# Altium PCB PCB2.PcbDoc (part 1 of 2) (continued)
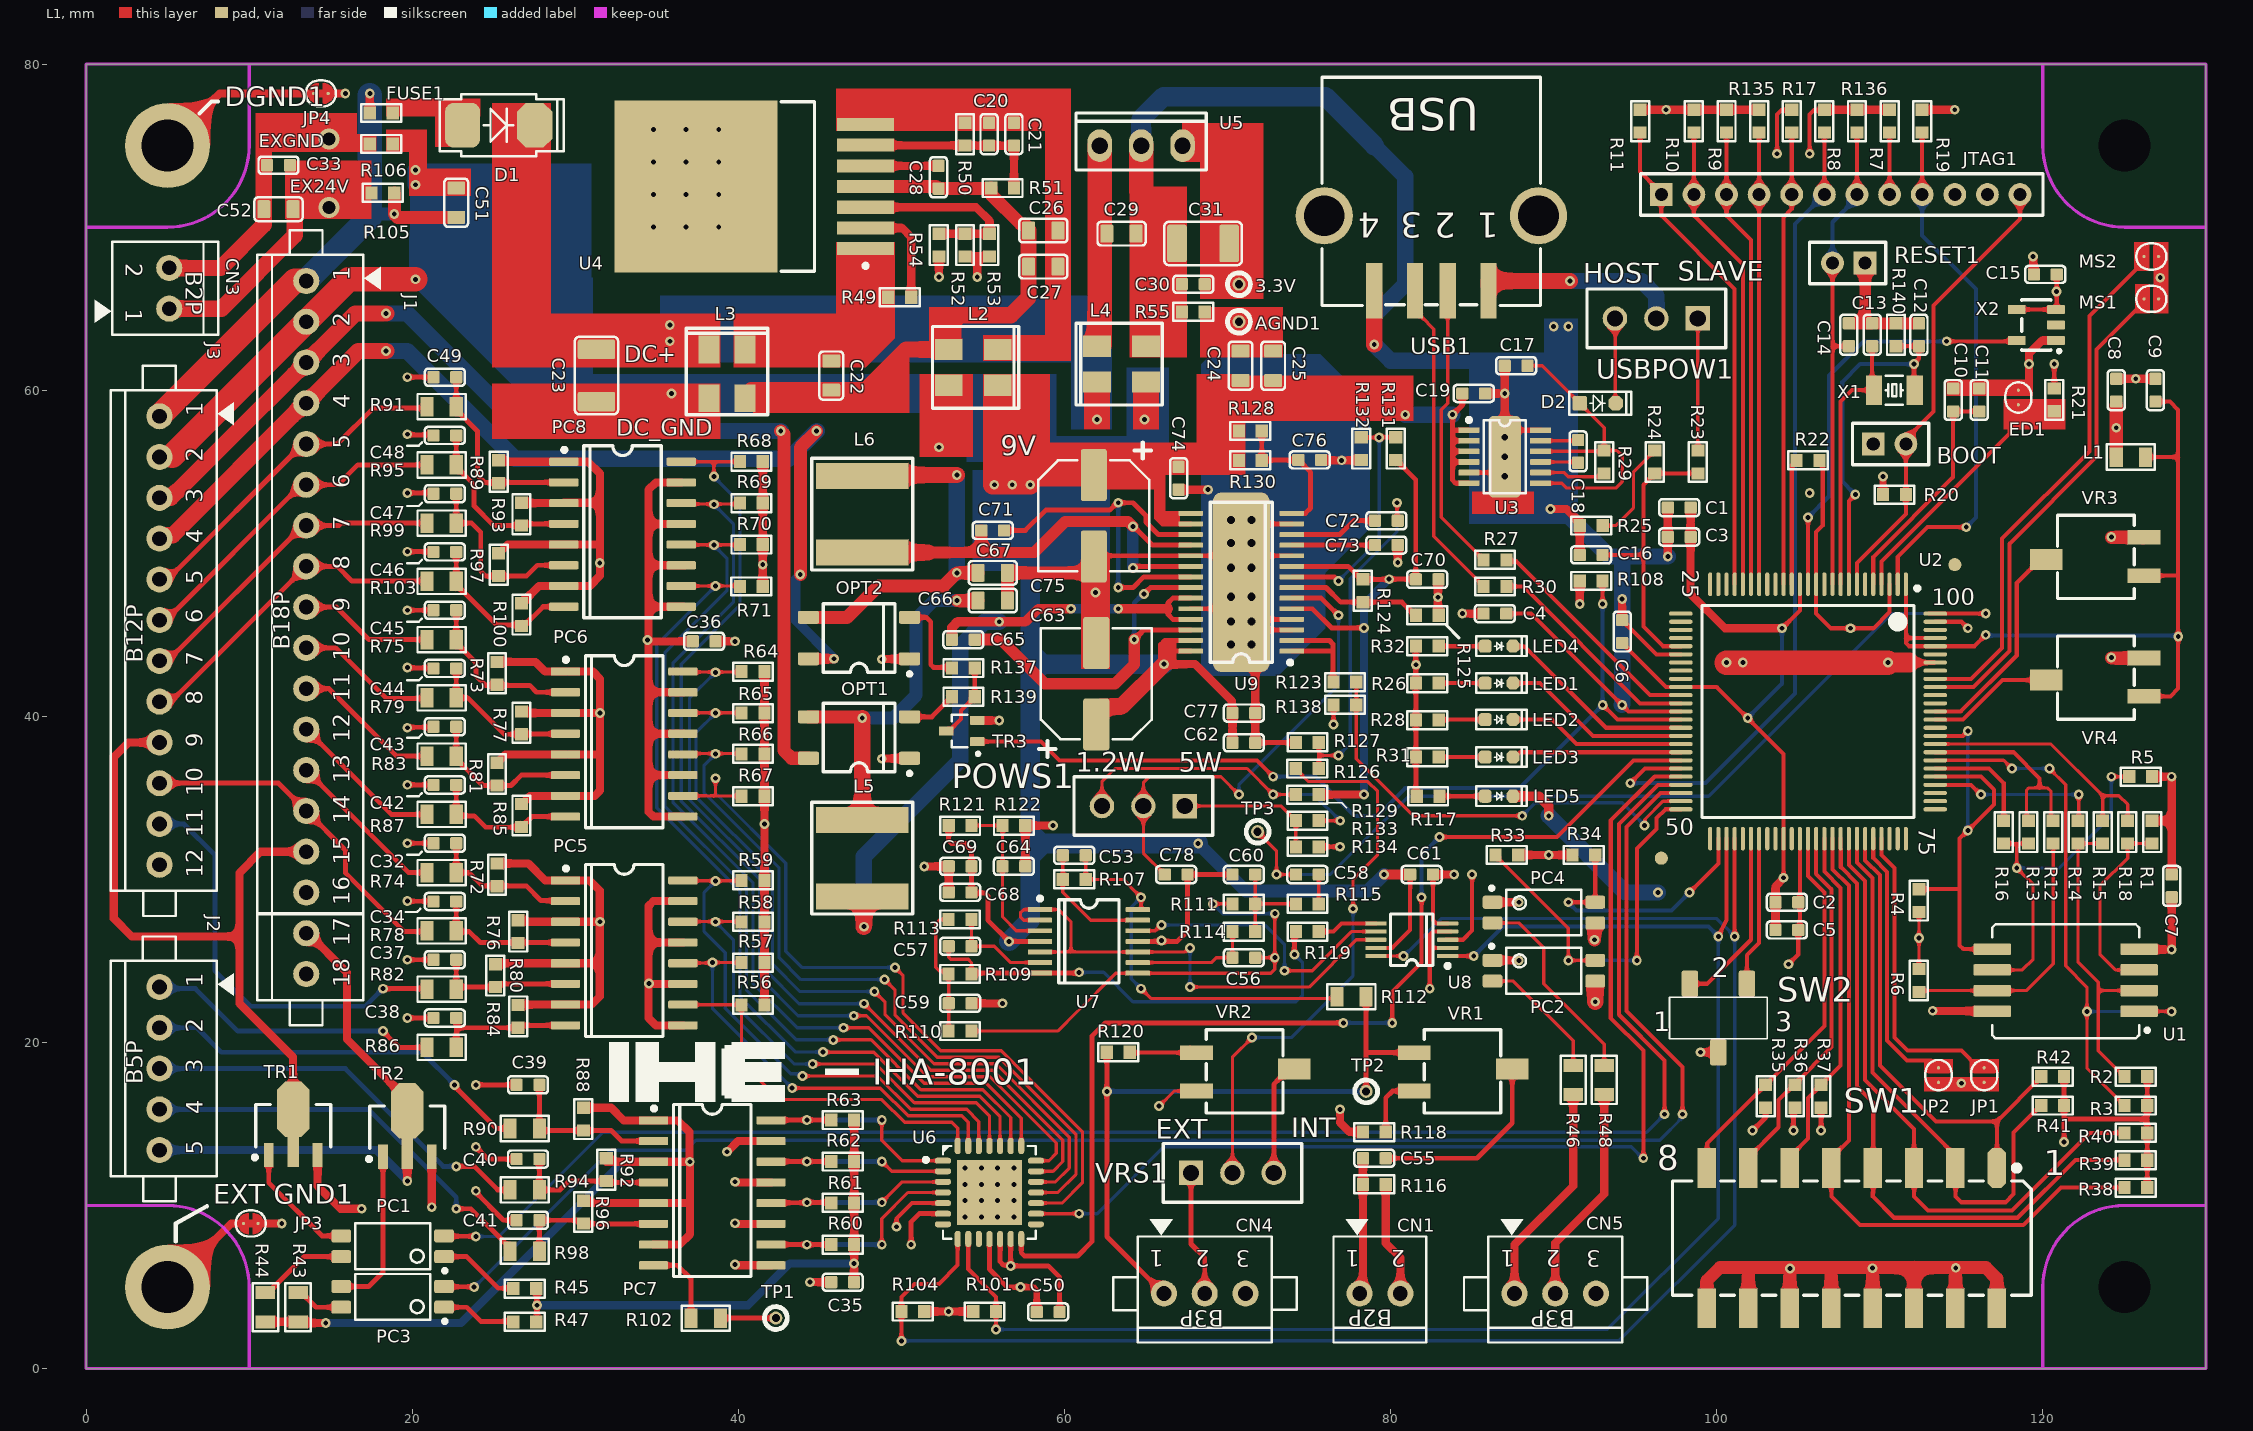
[diagram p0: L1 view]
## Footprints (in the part's own frame and the unit in brackets; to place one, negate y for a bottom-side part, rotate by r counter-clockwise, add the part's x,y. Pads: shape width x height; smd on the part's side, far side on the other; paste and mask are expansions set on the pad) (continued)
  rect 0.8x1.2 smd mask+0.05: 1(-0.9,0) 2(0.9,0)
  silkscreen extent -1.48,-0.77 1.48,0.77, body extent -1,-0.6 1,0.6, height 0.55
"SLIDE SWITCH SPDT" [mm]
  rrect20% 1.6x1 smd: 1(-2.1,1.75) 2(2.1,0) 3(-2.1,-1.75)
  silkscreen extent -1.27,-3 1.27,3
"SMD_JAMPER -CUT" [mm]
  round 0.2 smd mask+0.102: 1(-0.446,0)
  round 0.2 smd: 2(0.446,0)
  L1 region: -0.127,0.65 -0.151,0.65 -0.199,0.646 -0.247,0.639 -0.294,0.628 -0.317,0.621 -0.317,0.621 -0.432,0.586 -0.623,0.437 -0.746,0.229 -0.786,-0.009 -0.762,-0.127 -0.762,-0.127 -0.744,-0.238 -0.63,-0.432 -0.454,-0.573 -0.239,-0.64 -0.127,-0.633 -0.127,-0.633
  L1 region: 0.127,0.65 0.151,0.65 0.199,0.646 0.247,0.639 0.294,0.628 0.317,0.621 0.317,0.621 0.432,0.586 0.623,0.437 0.746,0.23 0.786,-0.009 0.762,-0.127 0.762,-0.127 0.744,-0.238 0.63,-0.432 0.454,-0.573 0.239,-0.64 0.127,-0.633 0.127,-0.633
  silkscreen extent -0.92,-0.8 0.92,0.8
SO16 [mm]
  rrect30% 1.8x0.5 smd: 1(-3.6,4.445) 2(-3.6,3.175) 3(-3.6,1.905) 4(-3.6,0.635) 5(-3.6,-0.635) 6(-3.6,-1.905) 7(-3.6,-3.175) 8(-3.6,-4.445) 9(3.6,-4.445) 10(3.6,-3.175) 11(3.6,-1.905) 12(3.6,-0.635) 13(3.6,0.635) 14(3.6,1.905) 15(3.6,3.175) 16(3.6,4.445)
  silkscreen extent -3.7,-5.13 2.38,5.42
SOD-323 [mm]
  rrect30% 0.9x0.9 smd: A(1.1,0)
  oct 0.9x0.9 smd: K(-1.1,0)
  silkscreen extent -2.05,-0.7 1.75,0.7, body extent -1.35,-0.62 1.35,0.63, height 1.1
SOP4 [mm]
  rrect30% 1.2x0.8 smd: 1(-3.15,0.635) 2(-3.15,-0.635) 3(3.15,-0.635) 4(3.15,0.635)
  silkscreen extent -3.3,-1.4 2.3,1.6, body extent -3.5,-1.3 3.5,1.3, height 1.9
SOP4-2.54 [mm] "4-Leads, Body 4.4x4.3mm, Pitch 2.54mm"
  rrect30% 1.3x0.8 smd: 1(-3.1,1.27) 2(-3.1,-1.27) 3(3.1,-1.27) 4(3.1,1.27)
  silkscreen extent -3.2,-2.1 2.2,2.3, body extent -3.4,-2.15 3.4,2.15, height 2.1
SOT-23-5 [mm]
  rrect20% 0.55x1.1 smd: 1(-0.95,-1.2) 2(0,-1.2) 3(0.95,-1.2) 4(0.95,1.2) 5(-0.95,1.2)
  silkscreen extent -1.7,-1.5 1.55,0.9, body extent -1.45,-1.4 1.45,1.4, height 1.24
SOT-89-3 [mm]
  rect 1.5x0.6 smd: 1(-1.8,1.5) 3(-1.8,-1.5)
  rect 2x0.7 smd: 2(-1.55,0)
  oct 3.4x2 smd: 2(1,0)
  silkscreen extent -2.07,-2.3 1.3,2.47, body extent -2.2,-2.25 2.05,2.25, height 1.54
SOT-323F [mm] "SOT-323/SC-70; 3 Leads; Body 2.2 x 2.2 mm, inc. leads (LxW max)"
  rrect20% 0.55x0.9 smd: B(-0.65,-0.95) C(0,0.95) E(0.65,-0.95)
  silkscreen extent -1.5,-1.1 1,0.6, body extent -1.1,-1.12 1.1,1.12, height 1.1
SS12D01G4 [mm]
  rect 1.5x1.5 hole 1: 1(-2.54,0)
  round 1.5 hole 1: 2(0,0) 3(2.54,0)
  silkscreen extent -4.25,-1.8 4.25,1.8
ST4ETB202 [mm]
  rect 2x0.9 smd: 1(-3,1.175) 3(-3,-1.175)
  rect 2x1.3 smd: 2(3,0.175)
  silkscreen extent -2.4,-2.52 2.3,2.58
TO220-3 [mm]
  oval 1.5x2 hole 1: 1(-2.54,0) 2(0,0) 3(2.54,0)
  silkscreen extent -4,-1.5 4,2
TO-PMOD-7 [mm]
  rect 3.5x0.8 smd: 1(-6.425,3.81) 2(-6.425,2.54) 3(-6.425,1.27) 4(-6.425,0) 5(-6.425,-1.27) 6(-6.425,-2.54) 7(-6.425,-3.81)
  rect 10x10.55 smd: 8(3.975,0)
  silkscreen extent -6.55,-5.2 -1.25,5.2, body extent -6.45,-5.08 7.32,5.08, height 4.57
TP0.5MM [mm]
  round 0.8 hole 0.5: 1(0,0)
  silkscreen extent -0.7,-0.7 0.7,0.7
TP3.2MM [mm]
  round 5.2 hole 3.2: 1(0,0)
TSSOP14 [mm]
  rrect30% 1.5x0.3 smd: 1(-3,1.95) 2(-3,1.3) 3(-3,0.65) 4(-3,0) 5(-3,-0.65) 6(-3,-1.3) 7(-3,-1.95) 8(3,-1.95) 9(3,-1.3) 10(3,-0.65) 11(3,0) 12(3,0.65) 13(3,1.3) 14(3,1.95)
  silkscreen extent -3.12,-2.55 1.85,2.75, body extent -1.85,-2.55 1.85,2.55, height 1.8
TSSOP28 [mm]
  rrect30% 1.5x0.3 smd: 1(-3.1,4.225) 2(-3.1,3.575) 3(-3.1,2.925) 4(-3.1,2.275) 5(-3.1,1.625) 6(-3.1,0.975) 7(-3.1,0.325) 8(-3.1,-0.325) 9(-3.1,-0.975) 10(-3.1,-1.625) 11(-3.1,-2.275) 12(-3.1,-2.925) 13(-3.1,-3.575) 14(-3.1,-4.225) 15(3.1,-4.225) 16(3.1,-3.575) 17(3.1,-2.925) 18(3.1,-2.275) 19(3.1,-1.625) 20(3.1,-0.975) 21(3.1,-0.325) 22(3.1,0.325) 23(3.1,0.975) 24(3.1,1.625) 25(3.1,2.275) 26(3.1,2.925) 27(3.1,3.575) 28(3.1,4.225)
  round 0.8 hole 0.5: 3(-0.635,3.81) 3(-0.635,2.413) 3(-0.635,0.889) 3(-0.635,-0.889) 3(-0.635,-2.413) 3(-0.635,-3.81) 3(0.635,3.81) 3(0.635,2.413) 3(0.635,0.889) 3(0.635,-0.889) 3(0.635,-2.413) 3(0.635,-3.81)
  rrect30% 3.5x11 smd: 29(0,0)
  silkscreen extent -3.13,-4.9 1.9,5.05, body extent -3.31,-4.9 3.31,4.9, height 1.2
USB_2.0 [mm]
  rect 1x3.4 smd: 1(-3.5,4.6) 2(-1,4.6) 3(1,4.6) 4(3.5,4.6)
  round 3.5 hole 2.5: OS(-6.57,0) OS(6.57,0)
  silkscreen extent -6.7,-8.5 6.7,5.5

## Part data
3.3V AGND1 TP1 TP2 TP3: "Test-Point 0.5mm"
BOOT CN1 CN3 RESET1: "雄,ストレート,1列2ピン"
  BOOT RESET1: Vendor=3M
  CN1 CN3: Vendor=JST
C1 C2 C8 C9 C55 C58 C65 C70 C71 C72 C73 C76: library part C1608, "セラコン1608サイズ", Voltage=25V
  C1 C2 C8 C9 C55 C58 C70 C72 C73 C76: Tag=1uF, Vendor=TaiyoYuden
  C65 C71: Tag=474, Vendor=TiyoYuden
C3 C4 C5 C6 C7 C10 C11 C15 C16 C17 C18 C19 C20 C21 C28 C30 C32 C33 C34 C35 C36 C37 C38 C39 C40 C41 C42 C43 C44 C45 C46 C47 C48 C49 C50 C53 C61 C64 C68 C69 C77 C78: library part C1608, "セラコン1608サイズ", Voltage=50V
  C3 C4 C5 C6 C10 C11 C15 C16 C17 C18 C19 C30 C32 C33 C34 C35 C36 C37 C38 C39 C40 C41 C42 C43 C44 C45 C46 C47 C48 C49 C50 C53 C61 C64 C68 C69 C77 C78: Tag=0.1uF, Vendor=TDK
  C7 C20 C21 C28: Tag=0.01uF, Vendor=Murata
C12 C13 C14 C56 C57 C59 C60 C62 C74: library part C1608, "セラコン1608サイズ", Voltage=100V, Vendor=Murata
  C12 C13: Tag=15pF
  C14 C60 C62 C74: Tag=1000pF
  C56: Tag=470pF
  C57: Tag=220pF
  C59: Tag=6800pF
C22 C29 C51 C52: library part C2012, "セラコン2012サイズ", Voltage=50V, Tag=474F, Vendor=Murata
C23 C31: library part C3225, "セラコン3225サイズ", Voltage=50V, Vendor=TaiyoYuden
  C23: Tag=10uF
  C31: Tag=100uF
C24 C25 C26 C27 C66 C67: library part C2012, "セラコン2012サイズ", Voltage=25V
  C24 C25 C26 C27: Tag=10uF, Vendor=Murata
  C66 C67: Tag=1uF, Vendor="Taiyo Yuden"
C63 C75: library part "6.6 X 6.6", "6.3φ 電解コンデンサ", Voltage=16V, Tag=100uF, Vendor=Nichicon
CN4 CN5 J2: "雄,ストレート,1列3ピン", Vendor=JST
D1: library part "Diode SMB 5.4x4.3", "Schottky Rectifier", Current=3A, Voltage=150V, Vendor=STmicro
D2: "DIODE SCHOTTKY 30V 800MA USC", Vendor=Toshiba
DGND1 "EXT GND1": "Test-Point 3.2mm"
FUSE1: library part TF1608, "3A 1608サイズ", Tag=3A, Vendor=Panasonic
J1 J3: "雄,ストレート,1列12ピン PCB", Vendor=JST
L1: library part MLZ2012, "SMD Inductor 2012size", Tag=100uH, Vendor=TDK
L2 L3 L4: library part ACM3225, "コモンモード,1A,4ピン", Vendor=Murata
L5 L6: library part DR125, "Shielded Inductor", Tag=33uH, Vendor="Taiyo Yuden"
LED1 LED5: library part LTST-C190CKT, "LED 1608 orange", Color=Orange, Vendor=kingbright
LED2: library part LTST-C190CKT, "LED 1608 yellow", Color=yellow, Vendor=kingbright
LED3: library part LTST-C190CKT, "LED 1608 green", Color=green, Vendor=kingbright
LED4: library part LTST-C190CKT, "LED 1608 RED", Color=Red, Vendor=kingbright
OPT1 OPT2: library part AQY225R2S, "60V 550mA フォトモス", Vendor=Panasonic
PC1 PC2 PC3 PC4: library part TLP291, "PHOTOCOUPLER 1ch", Vendor=TOSHIBA
PC5 PC6 PC7 PC8: library part TLP621, "4 Channel 16-SO", Vendor=Renesas
POWS1 USBPOW1 VRS1: "SPDTスライドスイッチ", Vendor=秋月|
R1 R2 R3 R4 R5 R6 R7 R8 R9 R10 R11 R12 R13 R14 R15 R16 R17 R18 R19 R20 R21 R22 R23 R24 R25 R26 R27 R28 R29 R30 R31 R32 R33 R34 R35 R36 R37 R38 R39 R40 R41 R42 R45 R47 R49 R50 R51 R52 R53 R54 R55 R56 R57 R58 R59 R60 R61 R62 R63 R64 R65 R66 R67 R68 R69 R70 R71 R72 R73 R76 R77 R80 R81 R84 R85 R88 R89 R92 R93 R96 R97 R100 R101 R104 R105 R106 R107 R108 R109 R110 R111 R113 R114 R115 R116 R117 R118 R119 R120 R121 R122 R123 R124 R125 R126 R127 R128 R129 R130 R131 R132 R133 R134 R135 R136 R137 R138 R139 R140: library part TF1608, "厚膜チップ抵抗1608サイズ"
  R1 R2 R3 R4 R5 R6 R7 R8 R9 R10 R11 R17 R19 R111 R115 R135 R136: Tag=4.7k, Vendor=Panasonic
  R12 R13 R14 R15 R16 R18 R27 R30 R128 R130: Tag=22, Vendor=Panasonic
  R20 R22 R23 R24 R25 R56 R57 R58 R59 R60 R61 R62 R63 R64 R65 R66 R67 R68 R69 R70 R71 R72 R73 R76 R77 R80 R81 R84 R85 R88 R89 R92 R93 R96 R97 R100 R101 R104 R107 R116 R121 R122 R123 R127 R133 R138: Tag=10k, Vendor=Panasonic
  R21 R29 R33 R34 R35 R36 R37 R38 R39 R40 R41 R42 R49 R108 R125 R140: Tag=100k, Vendor=Panasonic
  R26 R28 R31 R32 R117: Tag=2k, Vendor=Panasonic
  R45 R47 R52 R53 R54: Tag=1k, Vendor=Panasonic
  R50: Tag=36k, Vendor=Panasonic
  R51: Tag=3.3k, Vendor=Panasonic
  R55 R105 R106 R119 R120 R134: Tag=0, Vendor=KOA
  R109 R110 R126 R131 R132: Tag=3.6k, Vendor=Panasonic
  R113: Tag=12k, Vendor=Panasonic
  R114: Tag=13k, Vendor=Panasonic
  R118: Tag=510, Vendor=Panasonic
  R124: Tag=39k, Vendor=Panasonic
  R129: Tag=20k, Vendor=Panasonic
  R137 R139: Tag=270, Vendor=Panasonic
R43 R44 R46 R48 R74 R75 R78 R79 R82 R83 R86 R87 R90 R91 R94 R95 R98 R99 R102 R103 R112: library part MF2012, "薄膜チップ抵抗2012サイズ", Vendor=KOA
  R43 R44: Tag=4.7k
  R46 R48 R74 R75 R78 R79 R82 R83 R86 R87 R90 R91 R94 R95 R98 R99 R102 R103: Tag=3.9k
  R112: Tag=910
SW1: "SMD DIP Switch", Vendor="CTS Electrocomponents"
SW2: "SWITCH SLIDE SPDT 100MA 6V", Vendor="Nidec Copal Electronics"
TR1 TR2: library part DTC114YKAT146_1, "NPN  TR 1A with  Resi", Vendor="ROHM ローム"
TR3: "NPN  TR 0.1A SC85 2x2.1 SOC323", Vendor="ROHM ローム"
U1: "IC FLASH 4GBIT SPI/QUAD I/O 8LGA", Vendor="Alliance Memory, Inc."
U2: library part "RX62NxxDFP  100pin", "MCU", Manufactuer P/N=R5F5651EHDFP#30, Vendor=Renesas
U3: "IC REG CHARG PUMP ADJ/PRG 12MSOP", Vendor="Analog Devices Inc."
U4: "DC DC CONVERTER 5-30V", Vendor="Texas Instruments"
U5: "DC DC CONVERTER 3.3V", Vendor="Texas Instruments"
U6: "I/O Expander 16 SPI 10MHz 28-SOIC", Vendor="Microchip Technology"
U7: library part TL084CPT, "IC OPAMP JFET 4 CIRCUIT 14TSSOP", Vendor="Texas Instruments"
U8: "IC DGTL POT 10KOHM 128TAP 10UMAX", Vendor="Maxim Integrated"
U9: "IC AMP CLASS D STER 10W 28HTSSOP", Vendor="Texas Instruments"
USB1: "CONN RCPT USB2.0 TYPEA 4P SMD RA", Vendor="Amphenol ICC (FCI)"
VR1 VR2 VR3 VR4: library part ST-32EA**, "CERMET TRIMMER  Top adjustmet", Vendor="Nidec Copal Electronics"
  VR1: Tag=2k
  VR2 VR3 VR4: Tag=50k
X1: library part 9HT10-32.768KDZC-T, "CRYSTAL 32kHz 3.2mm x 1.5mm", Capacitance=9pF, Tolerance=20ppm, ESR=70k, Vendor="TXC CORPORATION"
X2: library part SIT2001BI-S2-33E-xxx, "OSC MEMS ＳＯＴ－２３－５", Stability=25ppm, Vendor=SiTime
JTAG1: Vendor=3M

## Free pads (board coordinates)
  round 0 hole 3.2 unplated mask+4: HOLE(125,5) HOLE(125,75)

## Via types
v1: diameter 0.6, hole 0.3, L1 to L4, 276 vias
v2: diameter 1.3, hole 0.8, L1 to L4, 2 vias

## Nets (pads, with @x,y where several pads share a name; then routed paths per layer and width w, separated by ;. In a path a pad name is that pad's centre, name@x,y a point inside that pad or via, vN(x,y) a via of type N, cw(c..) or ccw(c..) an arc to the next point about the centre after c; other vN are vias at no path point)
3.3V: 3.3V.1 C1.2 C2.2 C3.2 C4.2 C5.2 C6.2 C7.2 C8.2 C15.2 C30.2 C31.2 C35.2 C36.2 C50.2 JTAG1.11 L1.1 OPT1.1 OPT2.1 R1.2 R2.2 R3.2 R4.2 R5.2 R6.2 R7.2 R8.2 R9.2 R10.2 R11.2 R20.2 R21.1 R26.1 R28.1 R31.1 R32.1 R33.2 R34.2 R35.2 R36.2 R37.2 R38.2 R39.2 R40.2 R41.2 R42.2 R45.2 R47.2 R52.1 R53.1 R56.2 R57.2 R58.2 R59.2 R60.2 R61.2 R62.2 R63.2 R64.2 R65.2 R66.2 R67.2 R68.2 R69.2 R70.2 R71.2 R101.2 R104.2 R117.2 R135.2 R136.2 R138.2 U1.8 U2.14 U2.35 U2.60 U5.3 U6.5 U6.11 U8.3 X2.3 X2.4 | length 208.2
  L1 w0.2: R6.2@112.4,24.5 v1(112.4,26.4) R4.2@112.4,28
  L1 w0.25: v1(49.7,8.7) 49.7,9.2 50.65,10.15 U6.5@52.55,10.15 ; v1(76.5,39.5) R138.2@76.5,40.7 ; U8.3@83.4,26.3 84.43,26.3 85,26.87 v1(85,30.3) ; C6.2@94.2,44.5 96.9,41.8 100,41.8 104.1,37.7 104.1,30.5 v1(104.1,30.1) ; v1(104,45.4) 105.1,46.5 U2.14@105.1,48.1 ; v1(105.7,74.5) 105.7,76.9 105.971,77.171 106.572,77.171 R8.2@106.6,77.2 R8.2@106.471,77.071 ; X2.4@118.4,64.95 X2.3@120.8,64.95 120.852,65.002 C15.2@120.852,67.1
  L1 w0.3: R45.2@27.6,4.9 27.65,4.85 v1(27.65,3.883) 27.65,2.915 R47.2@27.7,2.865 ; U6.11@55.4,7.95 55.4,6.1 56.5,5 v1(57.3,5) ; R117.2@81.55,35.1 R31.1@81.55,37.5 R28.1@81.55,39.767 R26.1@81.55,42.033 v1(81.55,43.167) R32.1@81.55,44.3 ; v1(102.2,14.6) 103,15.4 R35.2@103,16 ; v1@104.7,14.7 104.7,15.9 R36.2@104.8,16 ; v1(106.4,14.6) R37.2@106.4,16 ; R21.1@120.7,60.105 v1(120.7,61.6) ; v1(121.3,13.9) 121.3,15.2 ; R42.2@121.3,17.9 R41.2@121.3,16.133 121.3,15.2 ; R38.2@126.4,11.1 R40.2@126.4,14.456 126.4,15.3 ; R2.2@126.4,17.9 R3.2@126.4,16.133 126.4,15.3 ; 121.3,15.2 121.4,15.3 126.4,15.3
  L1 w0.4: v1(57.3,5) 58.066,5 58.3,4.766 C50.2@58.3,3.475 ; R20.2@110.2,53.6 110.1,53.7 110.2,53.8 v1(110.2,54.7)
  L1 w0.5: C36.2@38.6,44.6 v1(39.8,44.6) ; R71.2@41.495,47.965 41.498,47.967 v1(41.498,49.3) 41.498,55.612 R68.2@41.5,55.615 R68.2@41.5,55.64 ; R56.2@41.6,22.3 R57.2@41.6,24.9 R58.2@41.6,27.4 R59.2@41.6,29.94 R67.2@41.6,35.1 R66.2@41.6,37.7 R65.2@41.6,40.2 R64.2@41.6,42.745 ; C35.2@47.1,5.3 v1(47.1,6.45) R60.2@47.1,7.6 R61.2@47.1,10.165 R62.2@47.1,12.7 R63.2@47.1,15.245 ; v1(48.8,37.4) 48.815,37.415 50.485,37.415 OPT1.1@50.5,37.43 ; v1(48.8,43.5) 48.815,43.515 50.485,43.515 OPT2.1@50.5,43.53 ; R104.2@51.4,3.5 v1(52.9,3.5) R101.2@54.4,3.5 ; R52.1@53.9,68.2 54.65,68.2 ; v1(54.65,66.95) 54.65,68.2 ; R53.1@55.4,68.2 54.65,68.2 ; v1(84.4,46.3) C4.2@85.695,46.3 ; R33.2@87.83,31.5 v1(89.7,31.5) R34.2@91.15,31.5 ; R11.2@95.3,77.199 v1(96.9,77.2) R9.2@100.6,77.2 ; C1.2@98.4,52.8 C3.2@98.4,51 98.4,47.5 100.5,45.4 v1(104,45.4) ; R9.2@100.6,77.2 R135.2@102.6,77.2 ; C5.2@103.6,26.9 103.6,29.573 104.1,30.073 v1(104.1,30.1) ; R8.2@106.6,77.2 R136.2@108.6,77.2 R7.2@110.6,77.199 ; v1@113.223,21.923 v1(113.242,21.942) 113.258,21.926 116.884,21.926 U1.8@116.9,21.91 ; R1.2@126.7,33.525 R1.2@126.875,33.525 ; R1.2@126.7,33.6 127.9,33.6 ; R5.2@126.7,36.3 v1(127.9,36.3) 127.9,33.6 ; C7.2@127.9,30.3 127.9,33.6
  L1 w0.8: L1.1@124.5,55.9 v1(124.5,57.7) C8.2@124.5,59.1
  L4 w0.25: v1(101.9,39.9) 104,42 v1(104,45.4)
  L4 w0.5: v1(27.65,3.883) 40.583,3.883 43.15,6.45 v1(47.1,6.45)
  other v1: 104.7,14.6 41.6,33.4 105.7,53.7 120.842,66.06
9V: C19.2 C24.2 C25.2 C61.2 C62.2 C63.+ C68.2 C69.2 C74.2 C75.+ C77.2 L2.2 R121.2 R128.2 R130.2 U3.1 U3.2 U3.3 U3.4 U3.6 U7.4 U8.9 U9.15 U9.16 U9.27 U9.28 | length 128.7
  L1 w0.25: U8.9@79.1,25.8 80.1,25.8 81.2,26.9 C61.2@81.2,30.3
  L1 w0.3: R121.2@52.9,33.3 52.9,32.376 53.076,32.2 53.9,32.2 54.3,31.8 C69.2@54.3,30.8 C68.2@54.3,29.2 54.325,29.175 55.124,29.175 55.3,28.999 55.3,27.5 v1(56.6,26.2) U7.4@58.5,26.2 ; 65.649,54.05 65.649,52.451 65.65,52.45 ; 66,44 U9.28@67.74,44 ; v1(66.1,43.2) 66.1,43.281 65.9,43.481 65.9,44.4 66.15,44.65 U9.27@67.74,44.65 ; U9.16@67.74,51.8 66,51.8 65.65,52.15 65.65,52.45 ; U9.15@67.74,52.45 65.65,52.45 ; v1(83.8,58.5) 83.8,57.6 ; U3.6@84.8,54.3 84.794,54.306 83.976,54.306 83.8,54.482 83.8,55.6 ; U3.4@84.8,55.6 83.8,55.6 ; U3.3@84.8,56.25 83.8,56.25 ; U3.2@84.8,56.9 83.8,56.9 ; U3.1@84.8,57.55 83.85,57.55 83.8,57.6 ; 83.8,55.6 83.8,56.25 ; 83.8,56.25 83.8,56.9 ; 83.8,56.9 83.8,57.6
  L1 w0.35: v1(83.8,58.5) 84.4,59.1 C19.2@84.4,59.8
  L1 w0.5: v1(66.1,43.2) 68,43.2 70.267,40.933 70.267,40.233 C77.2@70.3,40.2 C62.2@70.3,38.375
  L1 w0.6: v1(79.6,30.3) C61.2@81.2,30.3
  L1 w1: C63.+@61.95,39.5 61.95,40.3 62.25,40.6 63.5,40.6 v1(66.1,43.2)
  L1 w1.2: v1@55.6,54.2 v1(56.8,54.2) v1(57.9,54.2)
  L4 w0.8: v1@68.219,32.181 71.1,29.3 78.6,29.3 v1(79.6,30.3)
  L4 w1: v1(80.9,58.5) v1(83.8,58.5)
  L4 w1.2: v1(56.6,26.2) 57.9,27.5 57.9,31.5 57.9,32.9 ; 57.2,49.5 57.9,48.8 ; v1(57.9,54.2) 57.9,48.788 ; 57.95,42.5 58.275,42.825 58.65,43.2 ; 57.95,43.9 58.275,43.575 58.65,43.2 ; 58,31.5 58.7,32.2 ; 58.1,48.9 58.8,49.6 ; 58.587,52 57.9,51.312 57.9,48.788 ; v1(66.1,43.2) 58.65,43.2 ; v1(68.2,32.2) 58.6,32.2 57.9,32.9 ; 57.9,32.9 57.9,35.572 57.9,39.105 57.9,42.5 57.9,43.2 ; 57.9,43.2 58.65,43.2 ; 57.9,43.2 57.9,44.4 57.9,48.788
  other v1: 55.7,54.2
AGND: AGND1.1 C24.1 C25.1 C59.1 C60.1 C61.1 C62.1 C63.- C64.1 C66.1 C67.2 C68.1 C69.1 C70.1 C73.1 C74.1 C75.- C76.1 C77.1 C78.1 CN1.2 CN4.3 CN5.3 L2.3 R54.2 R55.2 R108.2 R116.2 R118.2 R122.1 R125.2 R127.1 R132.1 R134.1 U2.94 U2.99 U4.8 U7.11 U8.2 U8.4 U8.5 U9.3 U9.4 U9.10 U9.13 U9.19 U9.24 U9.29 VR2.3 VR3.3 VR4.3 | length 125
  L1 w0.2: v1(65.8,16.1) 66.725,17.025 VR2.3@68.1,17.025
  L1 w0.25: U9.29@69.245,46.6 70.84,48.195 U9.29@70.84,48.225 ; v1(82.4,23.3) 82.4,25.8 ; C61.1@82.6,30.3 82.6,27.5 82.8,27.3 U8.5@83.5,27.3 ; U8.2@83.7,25.8 83.124,25.8 82.4,25.8 ; U8.4@83.7,26.8 82.6,26.8 82.4,26.6 82.4,25.8 ; 111.8,43.3 U2.94@113.4,43.3 ; U2.99@113.4,45.8 115,45.8 v1(115.4,45.4)
  L1 w0.3: C75.-@61.8,49.8 61.85,49.85 U9.19@67.74,49.85 69.269,49.85 U9.29@70.84,48.279 ; U7.11@64.5,26.2 65.9,26.2 v1(65.95,26.25) ; v1@65.95,26.2 66.919,26.2 67.552,26.833 C78.1@67.552,30.3 C60.1@70.3,30.3 ; U9.24@67.74,46.6 U9.29@69.245,46.6 ; U9.29@70.84,48.195 U9.29@70.84,47.521 ; U9.29@70.84,48.225 U9.29@70.84,48.279 ; C62.1@71.7,38.375 71.713,38.388 74.188,38.388 R127.1@74.2,38.4 ; U9.3@73.94,45.3 72.411,45.3 71.7,46.011 70.84,46.871 U9.29@70.84,47.521 ; U9.4@73.94,45.95 72.411,45.95 71.7,46.661 U9.29@70.84,47.521 ; U9.10@73.94,49.85 72.411,49.85 U9.29@70.84,48.279 ; U9.13@73.94,51.8 72.411,51.8 70.84,50.229 U9.29@70.84,48.279 ; R134.1@75.6,32 v1(76.9,32)
  L1 w0.5: v1(51.4,30.8) C69.1@52.9,30.8 C68.1@52.9,29.2 ; v1(52.3,66.95) R54.2@52.3,68.2 ; C59.1@54.3,22.4 v1(56.2,22.4) ; C64.1@57.6,30.8 R122.1@57.6,33.3 v1(59.3,33.3) ; C74.1@67,53.9 v1(68.8,53.9) ; U9.29@70.84,48.225 71.7,47.365 71.7,46.661 71.7,46.011 C62.1@71.7,38.375 ; C76.1@75.74,55.7 R132.1@78.2,55.7 ; v1(76.9,15.9) 76.9,15.1 77.482,14.518 78.282,14.518 R118.2@78.3,14.5 ; R116.2@79.7,11.3 79.7,7.7 80.6,6.8 CN1.2@80.6,4.6 ; v1(80.44,49.44) C73.1@80.44,50.5 ; C61.1@82.6,30.3 83.25,30.3 v1(83.9,30.3) ; R125.2@82.895,46.2 82.9,46.205 v1(82.9,47.303) C70.1@82.9,48.4 ; v1(91.6,46.895) R108.2@91.6,48.3
  L1 w0.8: C66.1@56.5,47.1 56.5,47.25 C67.2@56.5,48.8 61.4,48.8 61.8,49.2 C75.-@61.8,49.8 C75.-@61.9,49.7 ; C63.-@61.9,44.55 C63.-@61.95,44.5 ; v1@124.225,43.575 VR4.3@126.2,43.575 ; v1@124.225,50.975 VR3.3@126.2,50.975 VR3.3@126.15,50.925
  L1 w1.2: v1(110.5,43.3) 111.8,43.3
  L1 w1.5: v1(100.6,43.3) v1(101.6,43.3) v1(110.5,43.3)
  other v1: 124.2,43.6 61.9,47.6 124.2,51 77,55.7 52.3,56.5 34.8,70 36.8,70 38.8,70 34.8,72 36.8,72 38.8,72 34.8,74 36.8,74 38.8,74 34.8,76 36.8,76 38.8,76
ALARM: J1.17 J2.5 TR2.2 | length 31.3
  L1 w0.5: J1.17@13.5,26.7 13.6,26.7 16,24.3 16,20.2 19.7,16.5 TR2.2@19.7,15.8 ; v1(19.7,11.5) TR2.2@19.7,13.25
  L4 w0.5: J2.5@4.5,13.4 17.8,13.4 v1(19.7,11.5)
ALM: PC3.2 U2.48 | length 103.4
  L1 w0.25: U2.48@97.7,35.3 96.55,35.3 94.475,33.225 94.475,21.925 97.9,18.5 v1(97.9,15.6)
  L1 w0.3: PC3.2@21.95,5.035 21.967,5.018 23.782,5.018 v1(23.8,5)
  L4 w0.2: v1(23.8,5) 32.185,13.385 36.785,13.385 37.4,14 96.5,14 v1@97.9,15.4
ATT-6dB: PC2.4 R33.1 U2.50 | length 25.1
  L1 w0.2: R33.1@86.43,31.5 86.43,31.475 88.3,29.605 88.3,29.6 90.9,27 v1(90.9,25.035) PC2.4@92.55,25.035
  L1 w0.25: v1@95.1,25 95.1,31.894 96.3,33.094 96.3,33.754 96.846,34.3 U2.50@97.8,34.3
  L4 w0.2: v1(90.9,25.035) v1(95.1,25.035)
ATT-14dB: PC4.4 R34.1 U2.52 | length 16.7
  L1 w0.25: v1(90.9,28.6) PC4.4@92.55,28.6 R34.1@92.55,31.5 ; v1(98.325,29.2) 100.1,30.975 U2.52@100.1,32.5
  L4 w0.25: v1(90.9,28.6) 91.4,28.1 97.225,28.1 v1(98.325,29.2)
BSY: PC1.2 U2.47 | length 101.7
  L1 w0.25: v1(96.8,15.6) 96.8,18.9 94,21.7 94,33.4 96.4,35.8 U2.47@97.8,35.8
  L1 w0.3: PC1.2@21.95,8.135 21.967,8.118 23.882,8.118 v1(23.9,8.1)
  L4 w0.2: v1(23.9,8.1) 25.3,8.1 31.7,14.5 95.7,14.5 v1(96.8,15.6)
BUSY: J1.15 J3.9 TR1.2 | length 41.7
  L1 w0.5: J3.9@4.5,38.4 2.6,38.4 1.7,37.5 1.7,27.6 2.8,26.5 9.4,26.5 ; TR1.2@12.7,15.9 12.7,19.1 9.4,22.4 9.4,26.5 ; J1.15@13.5,31.7 10.7,31.7 9.4,30.4 9.4,26.5
DC+: C23.2 D1.K L3.1 L4.1 | length 5.8
  L1 w1: 27.5,62.8 32.15,62.8 32.55,62.4 33.1,62.4
  other v1: 62,58.2 35.8,63 35.8,64
DC_GND: C23.1 C51.1 J1.2 J3.2 L3.4 L4.4 R106.1 | length 50.9
  L1 w0.25: 33.1,59.2 33.5,59.6 37.7,59.6 L3.4@37.75,59.65
  L1 w0.8: L4.4@64.95,60.4 L4.4@65,60.35
  L1 w1.2: J3.2@4.5,55.9 4.577,55.977 J3.2@5.277,55.977
  L1 w1.5: J3.2@5.277,55.977 J1.2@13.5,64.2 16.1,66.8 v1(20.2,66.8)
  L4 w0.8: v1(20.2,72.6) 20.25,72.55 20.25,69.7 20.2,69.65 v1(20.2,66.8) 28,59 36,59
  L4 w1: v1(20.2,72.6) v1(20.2,73.5)
  other v1: 64.9,58.2 35.9,59.8
DGND: BOOT.1 C1.1 C2.1 C3.1 C4.1 C5.1 C6.1 C7.1 C8.1 C9.1 C10.1 C11.1 C12.1 C13.1 C14.1 C15.1 C16.1 C17.2 C19.1 C29.1 C30.1 C31.1 C35.1 C36.1 C50.1 DGND1.1 ED1.1 JP1.2 JP2.2 JP4.1 JP4.2 JTAG1.10 L4.3 LED5.K MS1.1 MS2.1 PC2.3 PC4.3 PC5.9 PC5.11 PC5.13 PC5.15 PC6.9 PC6.11 PC6.13 PC6.15 PC7.9 PC7.11 PC7.13 PC7.15 PC8.9 PC8.11 PC8.13 PC8.15 R17.2 R19.2 R22.1 R25.1 R55.1 R140.1 RESET1.1 SW1.9 SW1.10 SW1.11 SW1.12 SW1.13 SW1.14 SW1.15 SW1.16 SW2.2 TR3.E U1.4 U2.3 U2.12 U2.31 U2.38 U2.62 U3.5 U3.12 U3.13 U5.2 U6.6 U6.12 U6.13 U6.29 USB1.4 X2.1 | length 307.7
  L1 w0.25: U3.5@84.8,54.95 U3.13@86.25,54.95 ; C4.1@87.095,46.3 88.6,46.3 93,41.9 v1(94.2,40.7) 94.6,40.3 U2.38@97.8,40.3 ; C6.1@94.2,45.9 96.3,43.8 U2.31@97.8,43.8 ; v1(103.7,74.5) 103.7,76.9 103.971,77.171 104.572,77.171 R17.2@104.6,77.199 ; v1(104.4,24.8) 105,25.4 C5.1@105,26.9 105.1,27 U2.62@105.1,32.5 ; U2.12@106.1,48.1 106.1,51.3 ; R22.1@106.5,55.7 106.5,51.7 106.1,51.3 ; U2.3@110.6,48.1 110.6,46.4 109.6,45.4 v1(108.2,45.4) 107,45.4 106.1,46.3 106.1,51.3
  L1 w0.3: v1(50.6,7.6) 50.6,9 51.1,9.5 U6.6@52.55,9.5 ; U6.12@56.05,7.95 56.05,6.551 56.25,6.351 56.649,6.351 v1(56.7,6.3) ; U6.13@56.7,7.95 v1(56.7,6.3) ; C50.1@59.7,3.475 59.7,5.6 59,6.3 v1(56.7,6.3) ; U3.13@87,57.125 U3.13@87,55.925 87.8,56.725 87.8,57.511 87.839,57.55 U3.12@89.2,57.55
  L1 w0.5: DGND1.1@5,75 8.2,78.2 v1(15.9,78.2) ; v1(34.426,44.674) v1@34.5,44.674 ; PC8.15@36.5,54.345 34.945,54.345 34.5,53.9 34.5,51.8 ; PC5.9@36.6,21.05 34.95,21.05 34.5,21.5 v1@34.5,23.59 ; PC5.11@36.6,23.59 v1@34.5,23.59 ; PC5.13@36.6,26.13 34.5,26.13 ; PC5.15@36.6,28.67 34.87,28.67 ccw(c34.87,28.3) 34.782,28.659 34.511,28.388 ccw(c34.87,28.3) 34.5,28.3 34.5,26.13 ; PC6.9@36.6,33.855 34.845,33.855 cw(c34.845,34.2) 34.788,33.86 34.505,34.143 cw(c34.845,34.2) 34.5,34.2 34.5,36.395 ; PC6.11@36.6,36.395 34.5,36.395 ; PC6.13@36.6,38.935 34.5,38.935 ; PC6.15@36.6,41.475 34.5,41.475 ; PC8.9@36.6,46.725 34.5,46.725 ; PC8.11@36.7,49.265 34.5,49.265 ; PC8.13@36.7,51.8 34.5,51.8 ; C36.1@37.2,44.6 v1@34.5,44.6 ; v1(39.3,13.3) 39.327,13.3 39.982,13.955 PC7.15@42,13.955 ; v1@39.845,6.335 PC7.9@42,6.335 ; v1@39.845,8.875 PC7.11@42,8.875 ; v1@39.845,11.415 PC7.13@42,11.415 ; v1(44.4,5.3) C35.1@45.7,5.3 ; TR3.E@54.665,39.765 54.686,39.745 v1@55.988,39.745 ; C19.1@85.8,59.8 v1(87,59.8) ; U3.13@86.25,54.95 86.943,55.643 86.943,55.868 U3.13@87,55.925 ; U3.13@87,57.125 v1(87,59.8) ; C17.2@87,61.5 v1(87,59.8) ; v1(89.81,52.71) 90.79,52.71 91.605,51.895 R25.1@91.605,51.7 91.602,51.697 91.602,49.902 C16.1@91.6,49.9 ; PC4.3@92.5,27.28 PC4.3@92.55,27.33 PC4.3@92.6,27.28 ; C6.1@94.2,45.9 v1(94.2,47.2) ; v1(97,49.8) C3.1@97,51 C1.1@97,52.8 ; v1(99,19.4) SW2.2@100.1,19.4 ; R19.2@112.6,77.199 v1(114.6,77.2) ; 119.146,60.4 119.15,60.404 v1(119.15,61.6) 119.15,62.25 119.95,63.05 X2.1@120.8,63.05 ; v1(119.4,68.2) 119.419,68.181 119.419,67.171 119.4,67.152 C15.1@119.452,67.1 ; C8.1@124.5,60.7 C9.1@126.9,60.7 ; U1.4@125.9,25.72 125.92,25.7 v1(127.9,25.7) C7.1@127.9,28.9 ; v1@34.5,23.59 34.5,24 34.5,26.13 ; 34.5,36.395 34.5,38.935 ; 34.5,38.935 34.5,41.475 ; 34.5,41.475 v1@34.5,44.6 ; v1@34.5,44.6 34.5,46.725 ; 34.5,46.725 34.5,49.265 ; 34.5,49.265 34.5,51.8
  L1 w0.6: LED5.K@87.5,35.1 89.1,35.1 89.7,34.5 v1(89.7,33.9)
  L1 w0.7: C14.1@108.1,64.1 109.1,64.1 ; RESET1.1@109.1,67.8 109.1,64.1 ; C12.1@112.4,64.1 R140.1@110.992,64.1 C13.1@109.533,64.1 109.1,64.1
  L1 w0.8: v1(92.5,26.3) PC4.3@92.5,27.28 ; SW1.9@99.4,3.7 99.4,5.4 100.2,6.2 101.9,6.2 ; SW1.10@101.94,3.7 101.94,6.16 101.9,6.2 ; SW1.11@104.48,3.7 104.48,6.12 v1@104.4,6.2 ; SW1.12@107.02,3.7 107.02,6.18 107,6.2 ; SW1.13@109.56,3.7 v1(109.56,6.16) v1@109.6,6.2 ; SW1.14@112.1,3.7 112.1,6.2 ; SW1.15@114.64,3.7 114.64,6.16 v1@114.6,6.2 ; SW1.16@117.18,3.7 117.18,5.52 116.5,6.2 v1@114.6,6.2 ; 101.9,6.2 v1@104.4,6.2 ; v1@104.4,6.2 107,6.2 ; 107,6.2 v1@109.6,6.2 ; v1@109.6,6.2 112.1,6.2 ; 112.1,6.2 v1@114.6,6.2
  L1 w1: 65.8,71.9 65.9,72 ; v1(79,62.8) USB1.4@79,65.9 ; U3.13@87,55.925 U3.13@87.095,55.83 ; v1(92.55,22.5) PC2.3@92.55,23.6
  L1 w1.5: 64.7,72.21 U5.2@64.7,75
  L4 w0.3: U3.13@87,54.725 U3.13@87,55.925 U3.13@87,57.125 v1(87,59.8) 88,59.8 90,61.8
  L4 w1: 79,75 80.9,73.1 80.9,66.5 79,64.6 v1(79,62.8) 80,61.8 85.9,61.8 86.2,61.5 ; v1(89.7,33.9) 94.4,29.2 v1(96.4,29.2) ; 90.8,52.3 90.9,52.3 93.4,49.8 94.182,49.8 ; v1@94.182,40.718 94.2,40.736 v1(94.2,47.2) 94.2,49.782 94.182,49.8 ; v1(97,49.8) 94.182,49.8
  L4 w1.2: U5.2@64.7,75 64.7,76.621 66.079,78 76,78 79,75
  other v1: 104.5,6.14 114.66,6.18 39.8,6.38 39.8,8.92 39.8,11.46 115,17.5 34.52,23.61 56,39.745 125.7,60.7 90,63.9 90.9,63.9 127.2,66.9
DSW1: R42.1 SW1.1 U2.70 | length 30.7
  L1 w0.25: U2.70@109.1,32.5 109.1,31.164 110,30.264 110,19.364 110,18.6 113.435,15.165 117.19,15.165 ; SW1.1@117.19,11.2 117.19,15.165 ; R42.1@119.9,17.9 119.9,17.875 117.19,15.165
DSW2: R41.1 SW1.2 U2.69 | length 33.3
  L1 w0.25: U2.69@108.6,32.5 108.6,31.027 109.55,30.077 109.55,18.15 114.7,13 SW1.2@114.7,12.473 ; SW1.2@114.65,11.2 114.65,10.55 115,10.2 117.7,10.2 118.2,10.7 118.2,14.475 119.9,16.175 R41.1@119.9,16.2
DSW3: R40.1 SW1.3 U2.68 | length 38.5
  L1 w0.25: U2.68@108.1,32.5 108.1,31.9 108.1,30.891 109.1,29.891 109.1,17.7 112.1,14.7 SW1.3@112.1,11.5 ; SW1.3@112.11,11.2 112.11,10.545 112.955,9.7 118.1,9.7 122.856,14.456 R40.1@125,14.456
DSW4: R39.1 SW1.4 U2.67 | length 40.2
  L1 w0.25: U2.67@107.6,32.5 107.6,31.9 107.607,31.893 107.607,30.747 108.6,29.754 108.6,17.3 109.6,16.3 109.6,12.3 109.6,10.8 ; 109.57,10.8 109.57,10.545 110.865,9.25 118.45,9.25 122,12.8 124.978,12.8 R39.1@125,12.778
DSW5: R38.1 SW1.5 U2.66 | length 42.3
  L1 w0.25: SW1.5@107.03,11.2 107.03,10.545 108.775,8.8 118.8,8.8 121.1,11.1 R38.1@125,11.1 ; SW1.5@107.1,11.3 107.1,13 108.1,14 108.1,29.618 107.1,30.618 107.1,31.9 U2.66@107.1,32.5
DSW6: R37.1 SW1.6 U2.65 | length 23
  L1 w0.25: SW1.6@104.49,11.2 104.49,12.99 105.6,14.1 105.6,16.6 R37.1@106.4,17.4 107.6,18.6 107.6,29.482 106.6,30.482 106.6,31.9 U2.65@106.6,32.5
DSW7: R36.1 SW1.7 U2.64 | length 23.8
  L1 w0.25: SW1.7@101.95,11.2 101.95,12.95 103.8,14.8 103.8,16.464 104.756,17.419 107.05,19.714 107.05,29.395 106.1,30.345 U2.64@106.1,32.5
DSW8: R35.1 SW1.8 U2.63 | length 24.7
  L1 w0.25: SW1.8@99.41,11.2 99.41,13.81 R35.1@103,17.4 106.6,21 106.6,29.2 105.6,30.2 U2.63@105.6,32.5
EMLE: JTAG1.9 R19.1 U2.2 | length 32.3
  L1 w0.25: U2.2@111.1,48.1 111.1,49.764 112.936,51.6 v1(115.3,51.6) ; JTAG1.9@112.6,72.1 R19.1@112.6,75.799 ; R19.1@112.6,75.699 R19.1@112.7,75.799
  L4 w0.25: JTAG1.9@112.6,71.8 112.6,69.5 115.9,66.2 115.9,52.2 v1(115.3,51.6)